# Altium PCB AiwacA33.PcbDoc (part 14 of 14)
Units mm, origin at the board's own origin, x right, y up, seen from the top; angles counter-clockwise.
Board outline 84.06 x 74 mm, 2 copper layers (Top Layer, Bottom Layer); 141 components, 152 nets, 23205 pads, 852 vias.
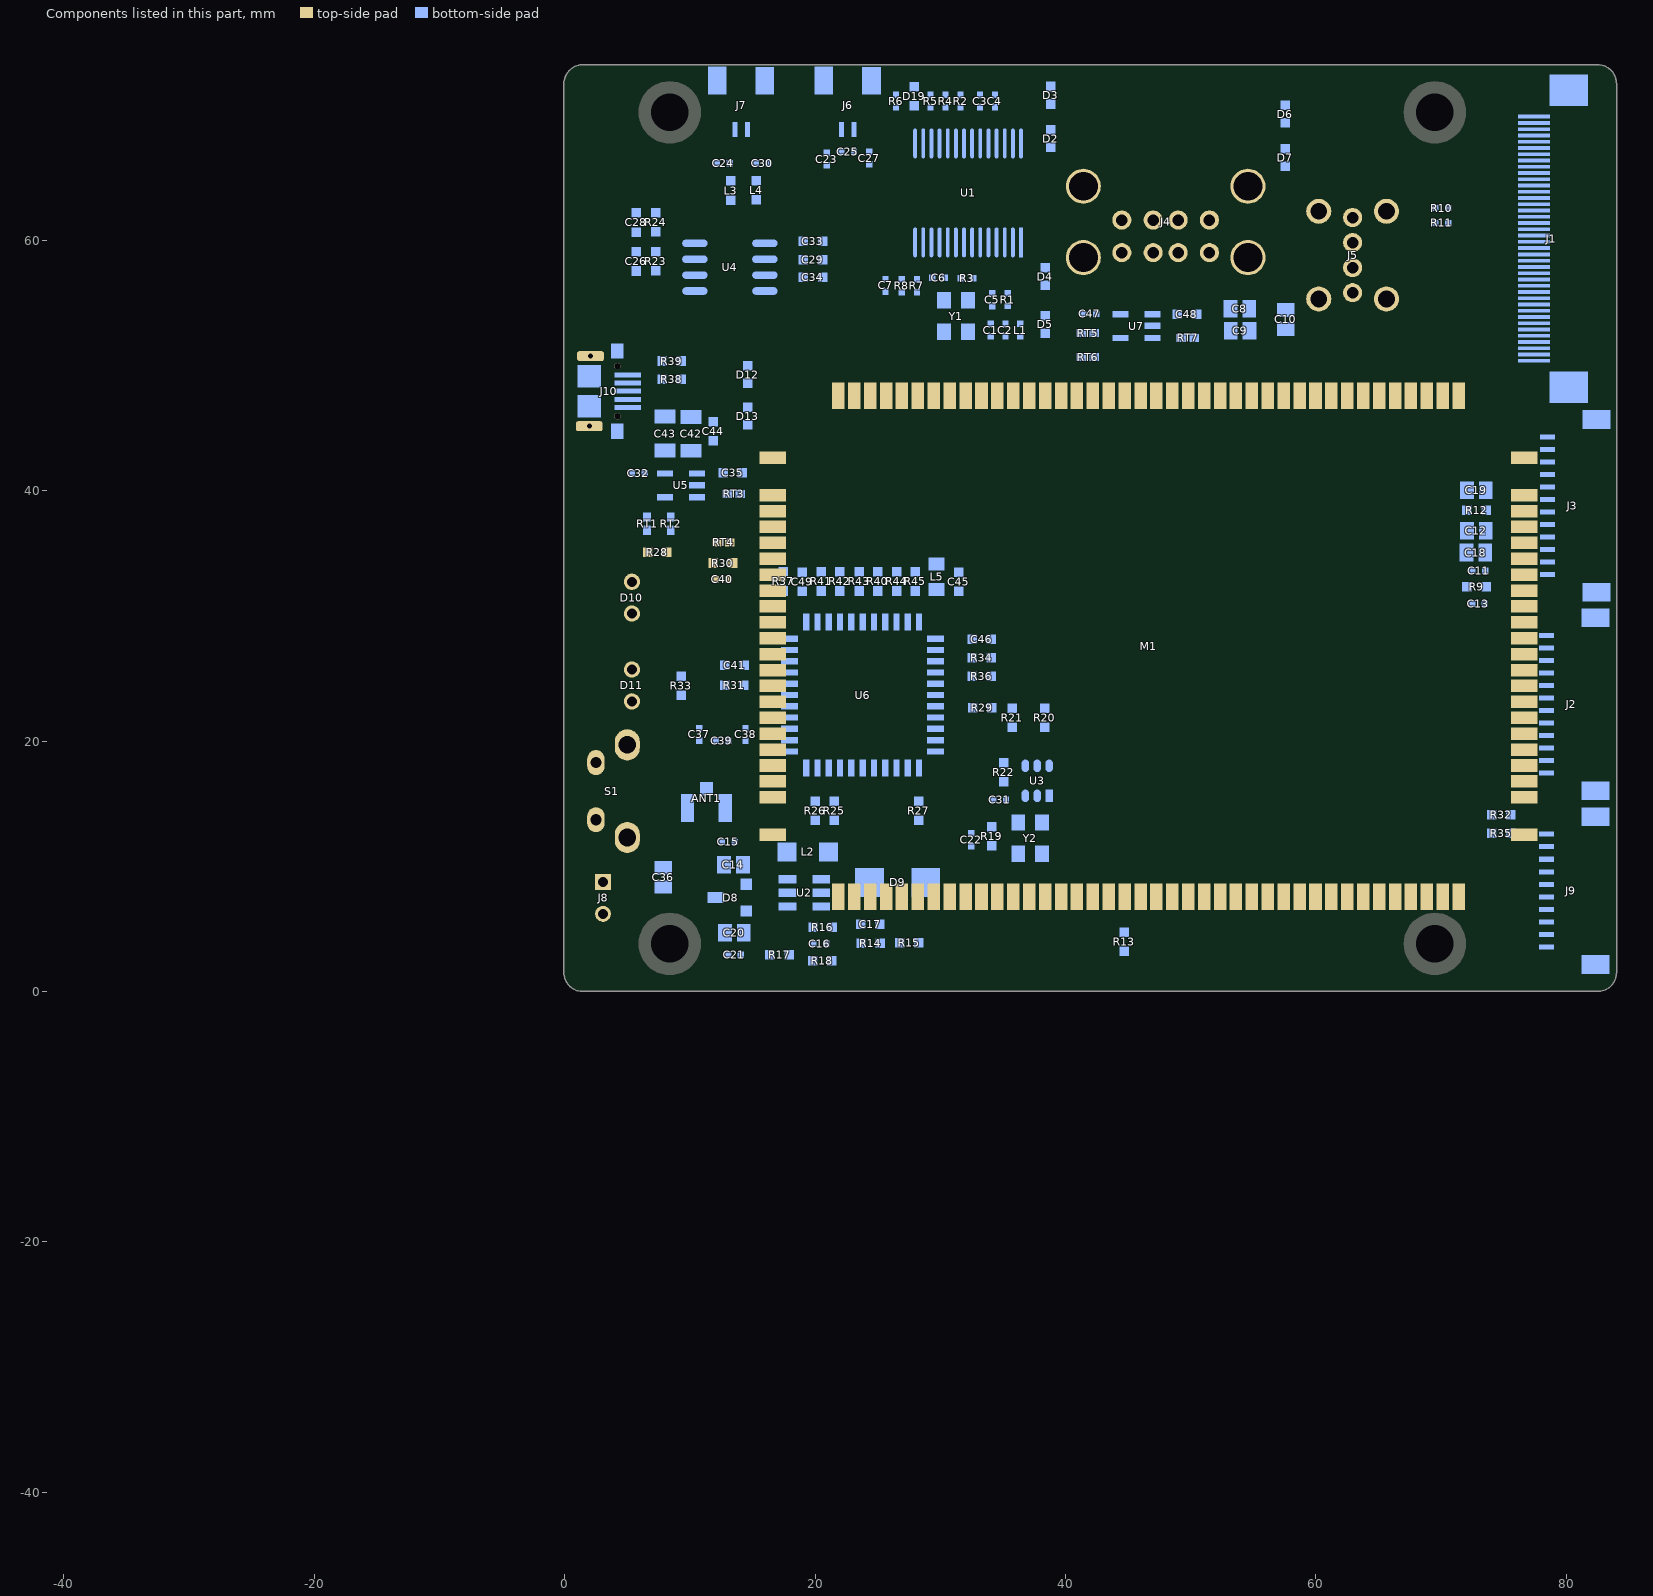
[diagram p14: the components of this part, seen from the top]

## Other copper
Top Layer:
  pour cut-out: 32.385,10.744 32.385,9.627 32.461,9.55 32.588,9.677 33.172,9.677 33.172,8.738 33.122,8.788 31.623,8.788 31.623,10.516 31.877,10.77 32.334,10.77
  pour cut-out: 11.873,8.793 13.533,7.133 13.533,5.601 12.834,6.3 12.103,6.3 12.103,7.958 10.688,9.373 10.867,9.551 11.873,9.551
  pour cut-out: 27.351,13.17 28.176,13.995 28.245,13.995 28.245,13.993 29.925,12.312 29.925,11.481 28.677,11.481 28.575,11.38 27.452,12.503 27.452,13.17
  pour cut-out: 20.493,9.444 21.439,8.497 26.173,8.497 26.589,8.913 25.95,9.551 20.6,9.551
  pour cut-out: 36.906,40.03 36.906,46.398 37.409,46.901 41.168,46.901 41.168,42.634 38.387,39.853 37.084,39.853
  pour cut-out: 31.217,40.03 31.242,40.005 34.036,40.005 34.036,42.316 33.934,42.418 31.775,40.259 31.09,40.259
  pour cut-out: 26.619,11.1 27.584,12.065 27.757,12.065 27.757,11.486 28.423,10.82 28.163,10.561 28.163,10.16 27.559,10.16
  pour cut-out: 23.693,18.736 23.961,18.736 25.197,17.501 24.65,16.954 23.693,16.954
  pour cut-out: 23.462,21.285 23.589,21.158 24.912,21.158 24.912,20.468 24.663,20.219
  pour cut-out: 21.692,22.556 22.835,22.556 22.779,22.5 22.779,21.717
  pour cut-out: 20.239,23.546 20.371,23.414 20.371,21.234 20.625,21.234 21.514,22.123
  pour cut-out: 22.047,15.342 22.098,15.392 24.028,15.392 24.028,15.749 24.13,15.85 21.54,15.85 21.539,15.85
  pour cut-out: 13.147,11.367 13.147,13.131 13.228,13.212 14.549,11.891 14.549,11.646 13.405,11.646 13.127,11.367
  pour cut-out: 33.172,43.624 34.353,43.624 34.417,43.688 34.239,43.866 34.239,46.584 32.178,46.584 31.923,46.329 32.309,45.942 32.309,44.488
  pour cut-out: 8.153,51.537 8.153,48.92 8.026,48.793 7.696,49.124 5.74,49.124 8.128,51.512
  pour cut-out: 35.072,24.257 35.072,22.111 35.174,22.009 35.136,21.971 33.198,21.971 33.198,22.327 35.052,24.181
  pour cut-out: 79.77,39.694 79.776,39.7 79.776,32.942 76.96,32.942 77.67,33.652 77.67,39.32 77.777,39.32 78.151,39.694
  pour cut-out: 8.047,12.649 8.001,12.604 8.001,10.871 9.373,10.871 9.423,10.922 7.976,12.37 7.976,12.7
Bottom Layer:
  pour cut-out: 15.159,39.165 15.159,38.204 15.389,37.973 16.535,37.973 16.535,38.379 17.827,39.671 17.925,39.573 20.066,39.573 20.523,40.03 20.523,40.538 18.669,40.538 17.922,39.791 17.922,39.635
  pour cut-out: 10.282,36.723 10.389,36.83 12.573,36.83 10.82,35.077 10.18,35.718 10.18,36.753
  pour cut-out: 76.627,9.703 76.674,9.656 76.674,8.332 75.556,9.449 75.784,9.677 76.627,9.677
  pour cut-out: 75.363,23.978 75.407,23.934 75.407,21.969 75.938,21.438 75.946,21.446 75.946,22.301 75.057,22.301 74.727,22.631 74.727,23.24 75.363,23.877
  pour cut-out: 6.045,48.26 6.654,48.26 7.29,48.896 7.329,48.857 8.098,48.857 8.389,48.565 8.351,48.527 8.351,47.826 7.506,46.98 7.506,46.533 7.138,46.533 6.858,46.253 6.172,46.94 6.011,46.94 6.011,48.15 6.147,48.285
  pour cut-out: 8.649,41.657 9.36,41.657 8.649,40.945
  pour cut-out: 80.48,40.437 80.48,39.117 80.62,39.117 81.229,38.507 81.523,38.801 81.523,39.508 81.409,39.508
  pour cut-out: 80.48,36.475 80.849,36.475 81.102,36.728 81.407,36.424 81.407,32.182 81.102,31.877 81.102,30.785 80.848,30.531 80.48,30.899
  pour cut-out: 57.785,23.851 58.522,23.114 58.268,22.86 58.268,10.439 58.038,10.439 57.696,10.782 57.785,10.871
  pour cut-out: 33.731,9.83 33.731,9.999 34.604,10.871 35.382,10.871 35.738,10.516 35.738,9.601 34.95,9.601 33.426,8.077 33.274,8.23 31.344,8.23 31.344,9.55 31.623,9.83
  pour cut-out: 20.891,3.557 20.27,3.557 20.168,3.454 20.168,6.629 21.133,6.629 21.285,6.477 21.285,3.951
  pour cut-out: 23.19,8.204 23.19,5.893 23.292,5.792 23.964,6.464 24.528,6.464 24.528,7.789 24.638,7.899 24.359,8.179 23.241,8.179
  pour cut-out: 25.578,28.804 25.628,28.753 26.238,28.753 26.238,28.042 25.858,28.423 25.578,28.423 25.578,28.778 25.603,28.804
  pour cut-out: 20.701,32.334 29.129,32.334 29.281,32.182 28.702,31.603 28.702,30.175 28.55,30.023 28.321,30.251 20.852,30.251 20.65,30.05 20.65,32.309

## Silkscreen, mask and mechanical layers (free items; w line width, h text height)
Top Overlay:
  region: 133.474,-55.804 79.074,-55.804 76.674,-58.204 76.674,-92.704 77.274,-92.704 133.474,-92.604
  region: 20.803,45.924 74.905,45.924 74.905,9.348 74.701,9.145 18.542,9.145 18.237,9.449 18.237,43.358 18.288,43.409
  text "AIWAC-A33 底板V1.0_20181121" at 34.315,1.727 h1.02
Bottom Overlay:
  lines w0.254: 24.435,10.947 25.014,10.947 ; 24.74,10.541 24.74,11.278 ; 27.076,69.177 27.47,69.177 27.483,69.164 27.483,70.053 27.457,70.053 ; 27.254,69.85 27.457,70.053 ; 27.554,70.028 27.554,69.995 27.711,69.837 ; 27.559,70.053 27.457,70.053 ; 27.869,69.343 28.529,69.343 ; 28.169,68.961 28.169,69.647 ; 29.718,3.302 30.632,3.302 ; 30.124,3.81 30.632,3.302 ; 30.175,2.896 30.556,3.277 30.632,3.277 30.632,3.302 ; 18.847,1.575 19.329,1.092 29.185,1.092 29.616,1.524 29.616,5.537 28.981,6.172 19.406,6.172 18.847,5.613 18.847,1.575 ; 21.768,9.144 22.149,8.763 22.149,9.525 21.768,9.144
  text "mic" at 20.95,61.214 h1.52
  text "HP" at 12.784,60.655 h1.52
Mechanical 2:
  drawing of 19725 lines, arcs and shapes, not listed
Mechanical 3:
  drawing of 7932 lines, arcs and shapes, not listed
Mechanical 4:
  lines w0: -39.046,-44.143 -39.046,-44.141 ; -39.046,-44.143 -39.045,-44.143 ; -39.046,-44.143 -39.045,-44.143 ; -39.046,-44.143 -39.046,-44.141 ; -39.046,-44.143 -39.045,-44.143 ; -39.046,-44.143 -39.046,-44.141 ; -39.046,-44.141 -39.045,-44.141 ; -39.046,-44.141 -39.045,-44.141 ; -39.046,-44.141 -39.045,-44.141 ; -39.045,-44.143 -39.045,-44.141 ; -39.045,-44.143 -39.045,-44.141 ; -39.045,-44.143 -39.045,-44.141 ; -39.043,-44.112 -39.042,-44.112 ; -39.043,-44.112 -39.043,-44.108 ; -39.043,-44.112 -39.043,-44.108 ; -39.043,-44.112 -39.042,-44.112 ; -39.043,-44.112 -39.043,-44.108 ; -39.043,-44.112 -39.042,-44.112 ; -39.043,-44.108 -39.042,-44.108 ; -39.043,-44.108 -39.042,-44.108 ; -39.043,-44.108 -39.042,-44.108 ; -39.044,-44.1 -39.044,-44.097 ; -39.044,-44.1 -39.042,-44.1 ; -39.044,-44.1 -39.042,-44.1 ; -39.044,-44.1 -39.044,-44.097 ; -39.044,-44.1 -39.042,-44.1 ; -39.044,-44.1 -39.044,-44.097 ; -39.044,-44.097 -39.042,-44.097 ; -39.044,-44.097 -39.042,-44.097 ; -39.044,-44.097 -39.042,-44.097 ; -39.042,-44.1 -39.042,-44.097 ; -39.042,-44.1 -39.042,-44.097 ; -39.042,-44.1 -39.042,-44.097 ; -39.042,-44.112 -39.042,-44.108 ; -39.042,-44.112 -39.042,-44.108 ; -39.042,-44.112 -39.042,-44.108 ; -39.041,-44.11 -39.041,-44.108 ; -39.041,-44.11 -39.038,-44.11 ; -39.041,-44.11 -39.038,-44.11 ; -39.041,-44.11 -39.041,-44.108 ; -39.041,-44.11 -39.038,-44.11 ; -39.041,-44.11 -39.041,-44.108 ; -39.041,-44.108 -39.038,-44.108 ; -39.041,-44.108 -39.038,-44.108 ; -39.041,-44.108 -39.038,-44.108 ; -39.038,-44.122 -39.036,-44.122 ; -39.038,-44.122 -39.038,-44.121 ; -39.038,-44.122 -39.038,-44.121 ; -39.038,-44.122 -39.036,-44.122 ; -39.038,-44.122 -39.038,-44.121 ; -39.038,-44.122 -39.036,-44.122 ; -39.038,-44.121 -39.036,-44.121 ; -39.038,-44.121 -39.036,-44.121 ; -39.038,-44.121 -39.036,-44.121 ; -39.038,-44.11 -39.038,-44.108 ; -39.038,-44.11 -39.038,-44.108 ; -39.038,-44.11 -39.038,-44.108 ; -39.036,-44.122 -39.036,-44.121 ; -39.036,-44.122 -39.036,-44.121 ; -39.036,-44.122 -39.036,-44.121 ; -39.036,-44.104 -39.036,-44.101 ; -39.036,-44.104 -39.034,-44.104 ; -39.036,-44.104 -39.034,-44.104 ; -39.036,-44.104 -39.036,-44.101 ; -39.036,-44.104 -39.034,-44.104 ; -39.036,-44.104 -39.036,-44.101 ; -39.036,-44.101 -39.034,-44.101 ; -39.036,-44.101 -39.034,-44.101 ; -39.036,-44.101 -39.034,-44.101 ; -39.034,-44.104 -39.034,-44.101 ; -39.034,-44.104 -39.034,-44.101 ; -39.034,-44.104 -39.034,-44.101 ; -38.995,-44.105 -38.995,-44.102 ; -38.995,-44.105 -38.994,-44.105 ; -38.995,-44.105 -38.994,-44.105 ; -38.995,-44.105 -38.995,-44.102 ; -38.995,-44.105 -38.994,-44.105 ; -38.995,-44.105 -38.995,-44.102 ; -38.995,-44.102 -38.994,-44.102 ; -38.995,-44.102 -38.994,-44.102 ; -38.995,-44.102 -38.994,-44.102 ; -38.994,-44.105 -38.994,-44.102 ; -38.994,-44.105 -38.994,-44.102 ; -38.994,-44.105 -38.994,-44.102 ; -38.993,-44.105 -38.993,-44.102 ; -38.993,-44.105 -38.992,-44.105 ; -38.993,-44.105 -38.992,-44.105 ; -38.993,-44.105 -38.993,-44.102 ; -38.993,-44.105 -38.992,-44.105 ; -38.993,-44.105 -38.993,-44.102 ; -38.993,-44.102 -38.992,-44.102 ; -38.993,-44.102 -38.992,-44.102 ; -38.993,-44.102 -38.992,-44.102 ; -38.992,-44.105 -38.992,-44.102 ; -38.992,-44.105 -38.992,-44.102 ; -38.992,-44.105 -38.992,-44.102 ; -38.979,-44.104 -38.979,-44.102 ; -38.979,-44.104 -38.976,-44.104 ; -38.979,-44.104 -38.976,-44.104 ; -38.979,-44.104 -38.979,-44.102 ; -38.979,-44.104 -38.976,-44.104 ; -38.979,-44.104 -38.979,-44.102 ; -38.979,-44.102 -38.976,-44.102 ; -38.979,-44.102 -38.976,-44.102 ; -38.979,-44.102 -38.976,-44.102 ; -38.978,-44.105 -38.976,-44.105 ; -38.978,-44.105 -38.978,-44.104 ; -38.978,-44.105 -38.978,-44.104 ; -38.978,-44.105 -38.976,-44.105 ; -38.978,-44.105 -38.978,-44.104 ; -38.978,-44.105 -38.976,-44.105 ; -38.978,-44.104 -38.976,-44.104 ; -38.978,-44.104 -38.976,-44.104 ; -38.978,-44.104 -38.976,-44.104 ; -38.976,-44.105 -38.976,-44.104 ; -38.976,-44.105 -38.976,-44.104 ; -38.976,-44.105 -38.976,-44.104 ; -38.976,-44.104 -38.976,-44.102 ; -38.976,-44.104 -38.976,-44.102 ; -38.976,-44.104 -38.976,-44.102
Mechanical 5:
  drawing of 420 lines, arcs and shapes, not listed
Mechanical 6:
  lines w0: -39.021,-44.127 -39.021,-44.114 ; -39.021,-44.127 -39.006,-44.127 ; -39.021,-44.127 -39.006,-44.127 ; -39.021,-44.127 -39.021,-44.114 ; -39.021,-44.127 -39.006,-44.127 ; -39.021,-44.127 -39.021,-44.114 ; -39.021,-44.114 -39.006,-44.114 ; -39.021,-44.114 -39.006,-44.114 ; -39.021,-44.114 -39.006,-44.114 ; -39.006,-44.127 -39.006,-44.114 ; -39.006,-44.127 -39.006,-44.114 ; -39.006,-44.127 -39.006,-44.114
Mechanical 8:
  drawing of 9558 lines, arcs and shapes, not listed
  text "U5" at -39.045,-44.099 h0 r90
  text "U5" at -39.045,-44.099 h0 r90
  text "U5" at -39.045,-44.099 h0 r90
  text "C37" at -39.044,-44.099 h0
  text "C37" at -39.044,-44.099 h0
  text "C37" at -39.044,-44.099 h0
  text "R70" at -39.044,-44.104 h0 r90
  text "R70" at -39.044,-44.104 h0 r90
  text "R70" at -39.044,-44.104 h0 r90
  text "R71" at -39.043,-44.104 h0 r90
  text "R71" at -39.043,-44.104 h0 r90
  text "R71" at -39.043,-44.104 h0 r90
  text "C101" at -39.042,-44.095 h0
  text "C101" at -39.042,-44.095 h0
  text "C101" at -39.042,-44.095 h0
  text "R67" at -39.039,-44.095 h0
  text "R67" at -39.039,-44.095 h0
  text "R67" at -39.039,-44.095 h0
  text "R66" at -39.036,-44.095 h0
  text "R66" at -39.036,-44.095 h0
  text "R66" at -39.036,-44.095 h0
  text "C100" at -39.034,-44.098 h0 r90
  text "C100" at -39.034,-44.098 h0 r90
  text "C100" at -39.034,-44.098 h0 r90
  text "R120" at -39.033,-44.1 h0 r90
  text "R120" at -39.033,-44.1 h0 r90
  text "R120" at -39.033,-44.1 h0 r90
  text "C32" at -39.033,-44.104 h0
  text "C32" at -39.033,-44.104 h0
  text "C32" at -39.033,-44.104 h0
  text "C110" at -39.031,-44.105 h0
  text "C110" at -39.031,-44.105 h0
  text "C110" at -39.031,-44.105 h0
  text "C40" at -39.031,-44.098 h0 r90
  text "C40" at -39.031,-44.098 h0 r90
  text "C40" at -39.031,-44.098 h0 r90
  text "C36" at -39.03,-44.098 h0 r90
  text "C36" at -39.03,-44.098 h0 r90
  text "C36" at -39.03,-44.098 h0 r90
  text "J6" at -39.028,-44.097 h0
  text "J6" at -39.028,-44.097 h0
  text "J6" at -39.028,-44.097 h0
  text "R110" at -39.028,-44.098 h0 r90
  text "R110" at -39.028,-44.098 h0 r90
  text "R110" at -39.028,-44.098 h0 r90
  text "C35" at -39.027,-44.099 h0 r90
  text "C35" at -39.027,-44.099 h0 r90
  text "C35" at -39.027,-44.099 h0 r90
  text "C38" at -39.025,-44.1 h0
  text "C38" at -39.025,-44.1 h0
  text "C38" at -39.025,-44.1 h0
  text "C39" at -39.024,-44.099 h0 r90
  text "C39" at -39.024,-44.099 h0 r90
  text "C39" at -39.024,-44.099 h0 r90
  text "R111" at -39.022,-44.099 h0 r90
  text "R111" at -39.022,-44.099 h0 r90
  text "R111" at -39.022,-44.099 h0 r90
  text "J7" at -39.022,-44.097 h0
  text "J7" at -39.022,-44.097 h0
  text "J7" at -39.022,-44.097 h0
  text "J1" at -39.006,-44.099 h0
  text "J1" at -39.006,-44.099 h0
  text "J1" at -39.006,-44.099 h0
  text "J2" at -39.001,-44.1 h0
  text "J2" at -39.001,-44.1 h0
  text "J2" at -39.001,-44.1 h0
  text "R50" at -38.999,-44.106 h0 r90
  text "R50" at -38.999,-44.106 h0 r90
  text "R50" at -38.999,-44.106 h0 r90
  text "R39" at -38.997,-44.105 h0 r90
  text "R39" at -38.997,-44.105 h0 r90
  text "R39" at -38.997,-44.105 h0 r90
  text "C28" at -38.994,-44.105 h0 r90
  text "C28" at -38.994,-44.105 h0 r90
  text "C28" at -38.994,-44.105 h0 r90
  text "C24" at -38.993,-44.105 h0 r90
  text "C24" at -38.993,-44.105 h0 r90
  text "C24" at -38.993,-44.105 h0 r90
  text "C25" at -38.991,-44.105 h0 r90
  text "C25" at -38.991,-44.105 h0 r90
  text "C25" at -38.991,-44.105 h0 r90
  text "J11" at -38.988,-44.097 h0
  text "J11" at -38.988,-44.097 h0
  text "J11" at -38.988,-44.097 h0
  text "R104" at -38.986,-44.106 h0 r90
  text "R104" at -38.986,-44.106 h0 r90
  text "R104" at -38.986,-44.106 h0 r90
  text "D11" at -38.985,-44.1 h0
  text "D11" at -38.985,-44.1 h0
  text "D11" at -38.985,-44.1 h0
  text "R102" at -38.985,-44.105 h0 r90
  text "R102" at -38.985,-44.105 h0 r90
  text "R102" at -38.985,-44.105 h0 r90
  text "R113" at -38.985,-44.102 h0
  text "R113" at -38.985,-44.102 h0
  text "R113" at -38.985,-44.102 h0
  text "D12" at -38.982,-44.1 h0
  text "D12" at -38.982,-44.1 h0
  text "D12" at -38.982,-44.1 h0
  text "R112" at -38.982,-44.102 h0
  text "R112" at -38.982,-44.102 h0
  text "R112" at -38.982,-44.102 h0
  text "R101" at -38.979,-44.099 h0 r90
  text "R101" at -38.979,-44.099 h0 r90
  text "R101" at -38.979,-44.099 h0 r90
  text "C105" at -38.977,-44.1 h0
  text "C105" at -38.977,-44.1 h0
  text "C105" at -38.977,-44.1 h0
  text "C104" at -38.974,-44.101 h0
  text "C104" at -38.974,-44.101 h0
  text "C104" at -38.974,-44.101 h0
  text "C102" at -38.974,-44.102 h0
  text "C102" at -38.974,-44.102 h0
  text "C102" at -38.974,-44.102 h0
  text "C103" at -38.974,-44.106 h0
  text "C103" at -38.974,-44.106 h0
  text "C103" at -38.974,-44.106 h0
  text "J10" at -39.047,-44.111 h0 r90
  text "J10" at -39.047,-44.111 h0 r90
  text "J10" at -39.047,-44.111 h0 r90
  text "C44" at -39.044,-44.107 h0 r90
  text "C44" at -39.044,-44.107 h0 r90
  text "C44" at -39.044,-44.107 h0 r90
  text "C17" at -39.043,-44.123 h0 r90
  text "C17" at -39.043,-44.123 h0 r90
  text "C17" at -39.043,-44.123 h0 r90
  text "R29" at -39.043,-44.128 h0 r90
  text "R29" at -39.043,-44.128 h0 r90
  text "R29" at -39.043,-44.128 h0 r90
  text "D7" at -39.042,-44.115 h0 r90
  text "D7" at -39.042,-44.115 h0 r90
  text "D7" at -39.042,-44.115 h0 r90
  text "D6" at -39.042,-44.12 h0 r90
  text "D6" at -39.042,-44.12 h0 r90
  text "D6" at -39.042,-44.12 h0 r90
  text "C42" at -39.042,-44.107 h0 r90
  text "C42" at -39.042,-44.107 h0 r90
  text "C42" at -39.042,-44.107 h0 r90
  text "C13" at -39.042,-44.128 h0 r90
  text "C13" at -39.042,-44.128 h0 r90
  text "C13" at -39.042,-44.128 h0 r90
  text "R40" at -39.041,-44.123 h0 r90
  text "R40" at -39.041,-44.123 h0 r90
  text "R40" at -39.041,-44.123 h0 r90
  text "L3" at -39.04,-44.107 h0
  text "L3" at -39.04,-44.107 h0
  text "L3" at -39.04,-44.107 h0
  text "R43" at -39.04,-44.123 h0 r90
  text "R43" at -39.04,-44.123 h0 r90
  text "R43" at -39.04,-44.123 h0 r90
  text "C29" at -39.039,-44.122 h0
  text "C29" at -39.039,-44.122 h0
  text "C29" at -39.039,-44.122 h0
  text "R47" at -39.039,-44.123 h0 r90
  text "R47" at -39.039,-44.123 h0 r90
  text "R47" at -39.039,-44.123 h0 r90
  text "U2" at -39.037,-44.128 h0 r270
  text "U2" at -39.037,-44.128 h0 r270
  text "U2" at -39.037,-44.128 h0 r270
  text "C14" at -39.037,-44.123 h0 r90
  text "C14" at -39.037,-44.123 h0 r90
  text "C14" at -39.037,-44.123 h0 r90
  text "L4" at -39.037,-44.107 h0
  text "L4" at -39.037,-44.107 h0
  text "L4" at -39.037,-44.107 h0
  text "RT1" at -39.037,-44.115 h0 r90
  text "RT1" at -39.037,-44.115 h0 r90
  text "RT1" at -39.037,-44.115 h0 r90
  text "C18" at -39.036,-44.123 h0 r90
  text "C18" at -39.036,-44.123 h0 r90
  text "C18" at -39.036,-44.123 h0 r90
  text "C43" at -39.036,-44.109 h0
  text "C43" at -39.036,-44.109 h0
  text "C43" at -39.036,-44.109 h0
  text "R41" at -39.035,-44.123 h0 r90
  text "R41" at -39.035,-44.123 h0 r90
  text "R41" at -39.035,-44.123 h0 r90
  text "C50" at -39.035,-44.114 h0 r90
  text "C50" at -39.035,-44.114 h0 r90
  text "C50" at -39.035,-44.114 h0 r90
  text "R76" at -39.034,-44.114 h0 r90
  text "R92" at -39.034,-44.113 h0
  text "R92" at -39.034,-44.113 h0
  text "R76" at -39.034,-44.114 h0 r90
  text "R92" at -39.034,-44.113 h0
  text "R76" at -39.034,-44.114 h0 r90
  text "C23" at -39.034,-44.114 h0
  text "C23" at -39.034,-44.114 h0
  text "C23" at -39.034,-44.114 h0
  text "D5" at -39.032,-44.124 h0
  text "D5" at -39.032,-44.124 h0
  text "D5" at -39.032,-44.124 h0
  text "R83" at -39.032,-44.114 h0 r90
  text "R83" at -39.032,-44.114 h0 r90
  text "R83" at -39.032,-44.114 h0 r90
  text "C33" at -39.031,-44.107 h0
  text "C33" at -39.031,-44.107 h0
  text "C33" at -39.031,-44.107 h0
  text "R31" at -39.03,-44.126 h0 r90
  text "R44" at -39.03,-44.131 h0 r90
  text "R44" at -39.03,-44.131 h0 r90
  text "R31" at -39.03,-44.126 h0 r90
  text "R44" at -39.03,-44.131 h0 r90
  text "R31" at -39.03,-44.126 h0 r90
  text "R32" at -39.03,-44.129 h0 r90
  text "R32" at -39.03,-44.129 h0 r90
  text "R32" at -39.03,-44.129 h0 r90
  text "R48" at -39.03,-44.131 h0 r90
  text "R48" at -39.03,-44.131 h0 r90
  text "R48" at -39.03,-44.131 h0 r90
  text "R37" at -39.03,-44.126 h0 r90
  text "R37" at -39.03,-44.126 h0 r90
  text "R37" at -39.03,-44.126 h0 r90
  text "R38" at -39.029,-44.129 h0 r90
  text "R38" at -39.029,-44.129 h0 r90
  text "R38" at -39.029,-44.129 h0 r90
  text "D4" at -39.029,-44.124 h0
  text "D4" at -39.029,-44.124 h0
  text "D4" at -39.029,-44.124 h0
  text "D21" at -39.028,-44.11 h0
  text "D21" at -39.028,-44.11 h0
  text "D21" at -39.028,-44.11 h0
  text "R7" at -39.027,-44.125 h0
  text "R13" at -39.027,-44.124 h0
  text "R14" at -39.027,-44.125 h0
  text "R14" at -39.027,-44.125 h0
  text "R13" at -39.027,-44.124 h0
  text "R7" at -39.027,-44.125 h0
  text "R14" at -39.027,-44.125 h0
  text "R13" at -39.027,-44.124 h0
  text "R7" at -39.027,-44.125 h0
  text "R8" at -39.027,-44.126 h0
  text "R16" at -39.027,-44.127 h0
  text "R16" at -39.027,-44.127 h0
  text "R8" at -39.027,-44.126 h0
  text "R16" at -39.027,-44.127 h0
  text "R8" at -39.027,-44.126 h0
  text "D22" at -39.025,-44.11 h0
  text "D22" at -39.025,-44.11 h0
  text "D22" at -39.025,-44.11 h0
  text "D2" at -39.023,-44.124 h0
  text "D2" at -39.023,-44.124 h0
  text "D2" at -39.023,-44.124 h0
  text "R19" at -39.023,-44.127 h0
  text "R24" at -39.023,-44.126 h0
  text "R24" at -39.023,-44.126 h0
  text "R19" at -39.023,-44.127 h0
  text "R24" at -39.023,-44.126 h0
  text "R19" at -39.023,-44.127 h0
  text "R20" at -39.023,-44.128 h0
  text "R22" at -39.023,-44.127 h0
  text "R22" at -39.023,-44.127 h0
  text "R20" at -39.023,-44.128 h0
  text "R22" at -39.023,-44.127 h0
  text "R20" at -39.023,-44.128 h0
  text "R23" at -39.02,-44.128 h0
  text "R23" at -39.02,-44.128 h0
  text "R23" at -39.02,-44.128 h0
  text "R18" at -39.017,-44.129 h0
  text "R21" at -39.017,-44.129 h0
  text "R21" at -39.017,-44.129 h0
  text "R18" at -39.017,-44.129 h0
  text "R21" at -39.017,-44.129 h0
  text "R18" at -39.017,-44.129 h0
  text "R17" at -39.017,-44.13 h0
  text "R17" at -39.017,-44.13 h0
  text "R17" at -39.017,-44.13 h0
  text "R3" at -39.016,-44.131 h0
  text "R3" at -39.016,-44.131 h0
  text "R3" at -39.016,-44.131 h0
  text "R9" at -39.016,-44.13 h0
  text "R9" at -39.016,-44.13 h0
  text "R9" at -39.016,-44.13 h0
  text "D1" at -39.012,-44.11 h0 r90
  text "D1" at -39.012,-44.11 h0 r90
  text "D1" at -39.012,-44.11 h0 r90
  text "R10" at -39.011,-44.132 h0
  text "R10" at -39.011,-44.132 h0
  text "R10" at -39.011,-44.132 h0
  text "R55" at -39.005,-44.116 h0 r90
  text "R55" at -39.005,-44.116 h0 r90
  text "R55" at -39.005,-44.116 h0 r90
  text "R54" at -39.005,-44.113 h0 r90
  text "R56" at -39.005,-44.12 h0 r90
  text "R56" at -39.005,-44.12 h0 r90
  text "R54" at -39.005,-44.113 h0 r90
  text "R56" at -39.005,-44.12 h0 r90
  text "R54" at -39.005,-44.113 h0 r90
  text "R53" at -39.004,-44.122 h0 r90
  text "R53" at -39.004,-44.122 h0 r90
  text "R53" at -39.004,-44.122 h0 r90
  text "L2" at -39.002,-44.131 h0
  text "L2" at -39.002,-44.131 h0
  text "L2" at -39.002,-44.131 h0
  text "C31" at -39.001,-44.111 h0 r90
  text "C31" at -39.001,-44.111 h0 r90
  text "C31" at -39.001,-44.111 h0 r90
  text "C55" at -39,-44.128 h0 r90
  text "C55" at -39,-44.128 h0 r90
  text "C55" at -39,-44.128 h0 r90
  text "C30" at -39,-44.111 h0 r90
  text "C30" at -39,-44.111 h0 r90
  text "C30" at -39,-44.111 h0 r90
  text "C56" at -38.999,-44.128 h0 r90
  text "C56" at -38.999,-44.128 h0 r90
  text "C56" at -38.999,-44.128 h0 r90
  text "U3" at -38.999,-44.126 h0 r90
  text "U3" at -38.999,-44.126 h0 r90
  text "U3" at -38.999,-44.126 h0 r90
  text "R79" at -38.999,-44.128 h0 r90
  text "R79" at -38.999,-44.128 h0 r90
  text "R79" at -38.999,-44.128 h0 r90
  text "R52" at -38.999,-44.111 h0 r90
  text "R52" at -38.999,-44.111 h0 r90
  text "R52" at -38.999,-44.111 h0 r90
  text "R80" at -38.998,-44.128 h0 r90
  text "R80" at -38.998,-44.128 h0 r90
  text "R80" at -38.998,-44.128 h0 r90
  text "D3" at -38.997,-44.111 h0 r90
  text "D3" at -38.997,-44.111 h0 r90
  text "D3" at -38.997,-44.111 h0 r90
  text "C22" at -38.996,-44.111 h0 r90
  text "C22" at -38.996,-44.111 h0 r90
  text "C22" at -38.996,-44.111 h0 r90
  text "R58" at -38.994,-44.111 h0 r90
  text "R58" at -38.994,-44.111 h0 r90
  text "R58" at -38.994,-44.111 h0 r90
  text "R59" at -38.993,-44.111 h0 r90
  text "R59" at -38.993,-44.111 h0 r90
  text "R59" at -38.993,-44.111 h0 r90
  text "C27" at -38.992,-44.111 h0 r90
  text "C27" at -38.992,-44.111 h0 r90
  text "C27" at -38.992,-44.111 h0 r90
  text "C21" at -38.99,-44.111 h0 r90
  text "C21" at -38.99,-44.111 h0 r90
  text "C21" at -38.99,-44.111 h0 r90
  text "C26" at -38.986,-44.115 h0 r90
  text "R60" at -38.986,-44.119 h0 r90
  text "R60" at -38.986,-44.119 h0 r90
  text "C26" at -38.986,-44.115 h0 r90
  text "R60" at -38.986,-44.119 h0 r90
  text "C26" at -38.986,-44.115 h0 r90
  text "R57" at -38.986,-44.117 h0 r90
  text "R57" at -38.986,-44.117 h0 r90
  text "R57" at -38.986,-44.117 h0 r90
  text "R103" at -38.985,-44.108 h0 r90
  text "R103" at -38.985,-44.108 h0 r90
  text "R103" at -38.985,-44.108 h0 r90
  text "R61" at -38.985,-44.115 h0 r90
  text "R61" at -38.985,-44.115 h0 r90
  text "R61" at -38.985,-44.115 h0 r90
  text "R75" at -38.985,-44.128 h0 r90
  text "R75" at -38.985,-44.128 h0 r90
  text "R75" at -38.985,-44.128 h0 r90
  text "R63" at -38.984,-44.128 h0 r90
  text "R63" at -38.984,-44.128 h0 r90
  text "R63" at -38.984,-44.128 h0 r90
  text "R51" at -38.984,-44.115 h0
  text "R51" at -38.984,-44.115 h0
  text "R51" at -38.984,-44.115 h0
  text "C34" at -38.984,-44.116 h0 r90
  text "C34" at -38.984,-44.116 h0 r90
  text "C34" at -38.984,-44.116 h0 r90
  text "R62" at -38.984,-44.119 h0 r90
  text "R62" at -38.984,-44.119 h0 r90
  text "R62" at -38.984,-44.119 h0 r90
  text "R64" at -38.984,-44.128 h0 r90
  text "R64" at -38.984,-44.128 h0 r90
  text "R64" at -38.984,-44.128 h0 r90
  text "Y1" at -38.983,-44.116 h0
  text "Y1" at -38.983,-44.116 h0
  text "Y1" at -38.983,-44.116 h0
  text "U4" at -38.983,-44.119 h0 r90
  text "U4" at -38.983,-44.119 h0 r90
  text "U4" at -38.983,-44.119 h0 r90
  text "R30" at -38.983,-44.115 h0
  text "R30" at -38.983,-44.115 h0
  text "R30" at -38.983,-44.115 h0
  text "C45" at -38.982,-44.116 h0 r90
  text "C45" at -38.982,-44.116 h0 r90
  text "C45" at -38.982,-44.116 h0 r90
  text "R65" at -38.982,-44.119 h0 r90
  text "R65" at -38.982,-44.119 h0 r90
  text "R65" at -38.982,-44.119 h0 r90
  text "U10" at -38.98,-44.111 h0 r270
  text "U10" at -38.98,-44.111 h0 r270
  text "U10" at -38.98,-44.111 h0 r270
  text "L1" at -38.974,-44.109 h0 r90
  text "L1" at -38.974,-44.109 h0 r90
  text "L1" at -38.974,-44.109 h0 r90
  text "J8" at -39.048,-44.138 h0 r90
  text "J8" at -39.048,-44.138 h0 r90
  text "J8" at -39.048,-44.138 h0 r90
  text "S1" at -39.047,-44.134 h0 r90
  text "S1" at -39.047,-44.134 h0 r90
  text "S1" at -39.047,-44.134 h0 r90
  text "C41" at -39.047,-44.14 h0 r90
  text "C41" at -39.047,-44.14 h0 r90
  text "C41" at -39.047,-44.14 h0 r90
  text "R35" at -39.044,-44.135 h0 r90
  text "R35" at -39.044,-44.135 h0 r90
  text "R35" at -39.044,-44.135 h0 r90
  text "R49" at -39.043,-44.135 h0 r90
  text "R49" at -39.043,-44.135 h0 r90
  text "R49" at -39.043,-44.135 h0 r90
  text "C20" at -39.043,-44.132 h0 r90
  text "C20" at -39.043,-44.132 h0 r90
  text "C20" at -39.043,-44.132 h0 r90
  text "C11" at -39.042,-44.142 h0 r90
  text "C11" at -39.042,-44.142 h0 r90
  text "C11" at -39.042,-44.142 h0 r90
  text "R46" at -39.042,-44.134 h0
  text "R46" at -39.042,-44.134 h0
  text "R46" at -39.042,-44.134 h0
  text "C19" at -39.042,-44.132 h0 r90
  text "C19" at -39.042,-44.132 h0 r90
  text "C19" at -39.042,-44.132 h0 r90
  text "R25" at -39.041,-44.142 h0 r90
  text "R25" at -39.041,-44.142 h0 r90
  text "R25" at -39.041,-44.142 h0 r90
  text "R36" at -39.04,-44.142 h0 r90
  text "R36" at -39.04,-44.142 h0 r90
  text "R36" at -39.04,-44.142 h0 r90
  text "C16" at -39.038,-44.141 h0 r90
  text "C16" at -39.038,-44.141 h0 r90
  text "C16" at -39.038,-44.141 h0 r90
  text "C15" at -39.038,-44.137 h0 r90
  text "C15" at -39.038,-44.137 h0 r90
  text "C15" at -39.038,-44.137 h0 r90
  text "C12" at -39.037,-44.141 h0 r90
  text "C12" at -39.037,-44.141 h0 r90
  text "C12" at -39.037,-44.141 h0 r90
  text "R26" at -39.036,-44.141 h0 r90
  text "R26" at -39.036,-44.141 h0 r90
  text "R26" at -39.036,-44.141 h0 r90
  text "R28" at -39.034,-44.141 h0 r90
  text "R28" at -39.034,-44.141 h0 r90
  text "R28" at -39.034,-44.141 h0 r90
  text "R34" at -39.033,-44.141 h0 r90
  text "R34" at -39.033,-44.141 h0 r90
  text "R34" at -39.033,-44.141 h0 r90
  text "R42" at -39.032,-44.143 h0 r90
  text "R42" at -39.032,-44.143 h0 r90
  text "R42" at -39.032,-44.143 h0 r90
  text "R45" at -39.031,-44.143 h0 r90
  text "R45" at -39.031,-44.143 h0 r90
  text "R45" at -39.031,-44.143 h0 r90
  text "R27" at -39.031,-44.141 h0 r90
  text "R27" at -39.031,-44.141 h0 r90
  text "R27" at -39.031,-44.141 h0 r90
  text "R33" at -39.031,-44.143 h0 r90
  text "R33" at -39.031,-44.143 h0 r90
  text "R33" at -39.031,-44.143 h0 r90
  text "J4" at -39.029,-44.146 h0
  text "J4" at -39.029,-44.146 h0
  text "J4" at -39.029,-44.146 h0
  text "R6" at -39.029,-44.137 h0
  text "R6" at -39.029,-44.137 h0
  text "R6" at -39.029,-44.137 h0
  text "C7" at -39.029,-44.14 h0
  text "R15" at -39.029,-44.139 h0
  text "R15" at -39.029,-44.139 h0
  text "C7" at -39.029,-44.14 h0
  text "R15" at -39.029,-44.139 h0
  text "C7" at -39.029,-44.14 h0
  text "C8" at -39.028,-44.135 h0
  text "C8" at -39.028,-44.135 h0
  text "C8" at -39.028,-44.135 h0
  text "C4" at -39.028,-44.136 h0
  text "C4" at -39.028,-44.136 h0
  text "C4" at -39.028,-44.136 h0
  text "U1" at -39.025,-44.137 h0
  text "U1" at -39.025,-44.137 h0
  text "U1" at -39.025,-44.137 h0
  text "C3" at -39.024,-44.142 h0
  text "R5" at -39.024,-44.143 h0
  text "R5" at -39.024,-44.143 h0
  text "C3" at -39.024,-44.142 h0
  text "R5" at -39.024,-44.143 h0
  text "C3" at -39.024,-44.142 h0
  text "C5" at -39.02,-44.142 h0
  text "C5" at -39.02,-44.142 h0
  text "C5" at -39.02,-44.142 h0
  text "R11" at -39.02,-44.143 h0
  text "R11" at -39.02,-44.143 h0
  text "R11" at -39.02,-44.143 h0
  text "C1" at -39.018,-44.142 h0
  text "R1" at -39.018,-44.143 h0
  text "R1" at -39.018,-44.143 h0
  text "C1" at -39.018,-44.142 h0
  text "R1" at -39.018,-44.143 h0
  text "C1" at -39.018,-44.142 h0
  text "R69" at -39.017,-44.143 h0 r90
  text "R69" at -39.017,-44.143 h0 r90
  text "R69" at -39.017,-44.143 h0 r90
  text "J3" at -39.017,-44.146 h0
  text "J3" at -39.017,-44.146 h0
  text "J3" at -39.017,-44.146 h0
  text "R68" at -39.014,-44.143 h0 r90
  text "R68" at -39.014,-44.143 h0 r90
  text "R68" at -39.014,-44.143 h0 r90
  text "C9" at -39.012,-44.136 h0
  text "C9" at -39.012,-44.136 h0
  text "C9" at -39.012,-44.136 h0
  text "C2" at -39.012,-44.139 h0
  text "C2" at -39.012,-44.139 h0
  text "C2" at -39.012,-44.139 h0
  text "C6" at -39.012,-44.14 h0
  text "C6" at -39.012,-44.14 h0
  text "C6" at -39.012,-44.14 h0
  text "R2" at -39.012,-44.138 h0
  text "R2" at -39.012,-44.138 h0
  text "R2" at -39.012,-44.138 h0
  text "R12" at -39.011,-44.141 h0
  text "R12" at -39.011,-44.141 h0
  text "R12" at -39.011,-44.141 h0
  text "R4" at -39.011,-44.134 h0
  text "R4" at -39.011,-44.134 h0
  text "R4" at -39.011,-44.134 h0
  text "C10" at -39.011,-44.135 h0
  text "C10" at -39.011,-44.135 h0
  text "C10" at -39.011,-44.135 h0
  text "J9" at -39.002,-44.146 h0
  text "J9" at -39.002,-44.146 h0
  text "J9" at -39.002,-44.146 h0
  text "R82" at -39.001,-44.143 h0
  text "R84" at -39.001,-44.136 h0
  text "R87" at -39.001,-44.141 h0
  text "R88" at -39.001,-44.139 h0
  text "R89" at -39.001,-44.137 h0
  text "R90" at -39.001,-44.135 h0
  text "R91" at -39.001,-44.133 h0
  text "R91" at -39.001,-44.133 h0
  text "R90" at -39.001,-44.135 h0
  text "R89" at -39.001,-44.137 h0
  text "R88" at -39.001,-44.139 h0
  text "R87" at -39.001,-44.141 h0
  text "R84" at -39.001,-44.136 h0
  text "R82" at -39.001,-44.143 h0
  text "R91" at -39.001,-44.133 h0
  text "R90" at -39.001,-44.135 h0
  text "R89" at -39.001,-44.137 h0
  text "R88" at -39.001,-44.139 h0
  text "R87" at -39.001,-44.141 h0
  text "R84" at -39.001,-44.136 h0
  text "R82" at -39.001,-44.143 h0
  text "C57" at -38.995,-44.147 h0 r90
  text "C57" at -38.995,-44.147 h0 r90
  text "C57" at -38.995,-44.147 h0 r90
  text "C51" at -38.994,-44.147 h0 r90
  text "C51" at -38.994,-44.147 h0 r90
  text "C51" at -38.994,-44.147 h0 r90
  text "R77" at -38.991,-44.147 h0 r90
  text "R77" at -38.991,-44.147 h0 r90
  text "R77" at -38.991,-44.147 h0 r90
  text "C47" at -38.988,-44.148 h0 r90
  text "C47" at -38.988,-44.148 h0 r90
  text "C47" at -38.988,-44.148 h0 r90
  text "C48" at -38.987,-44.147 h0
  text "C48" at -38.987,-44.147 h0
  text "C48" at -38.987,-44.147 h0
  text "C49" at -38.987,-44.148 h0 r90
  text "C49" at -38.987,-44.148 h0 r90
  text "C49" at -38.987,-44.148 h0 r90
  text "U7" at -38.982,-44.136 h0
  text "U7" at -38.982,-44.136 h0
  text "U7" at -38.982,-44.136 h0
  text "R74" at -38.981,-44.132 h0 r90
  text "R74" at -38.981,-44.132 h0 r90
  text "R74" at -38.981,-44.132 h0 r90
  text "R72" at -38.979,-44.138 h0
  text "R73" at -38.979,-44.141 h0
  text "R73" at -38.979,-44.141 h0
  text "R72" at -38.979,-44.138 h0
  text "R73" at -38.979,-44.141 h0
  text "R72" at -38.979,-44.138 h0
  text "ANT1" at -38.978,-44.144 h0
  text "ANT1" at -38.978,-44.144 h0
  text "ANT1" at -38.978,-44.144 h0
Mechanical 9:
  lines w0: -39.05,-44.15 ccw(c-39.049,-44.15) -39.049,-44.151 ; -39.05,-44.15 ccw(c-39.049,-44.15) -39.049,-44.151 ; -39.05,-44.15 ccw(c-39.049,-44.15) -39.049,-44.151 ; -39.049,-44.151 -38.974,-44.151 ; -39.05,-44.15 -39.05,-44.096 ; -39.05,-44.15 -39.05,-44.096 ; -39.049,-44.151 -38.974,-44.151 ; -39.05,-44.15 -39.05,-44.096 ; -39.049,-44.151 -38.974,-44.151 ; -39.05,-44.097 -39.05,-44.095 ; -39.05,-44.097 -39.05,-44.095 ; -39.05,-44.097 -39.05,-44.095 ; -39.05,-44.095 -39.05,-44.094 ; -39.05,-44.095 -39.05,-44.094 ; -39.05,-44.095 -39.05,-44.094 ; -39.05,-44.094 cw(c-39.05,-44.094) -39.05,-44.093 ; -39.05,-44.094 cw(c-39.05,-44.094) -39.05,-44.093 ; -39.05,-44.094 cw(c-39.05,-44.094) -39.05,-44.093 ; -39.05,-44.093 -38.975,-44.093 ; -39.05,-44.093 -38.975,-44.093 ; -39.05,-44.093 -38.975,-44.093 ; -39.021,-44.127 -39.021,-44.114 ; -39.021,-44.127 -39.006,-44.127 ; -39.021,-44.127 -39.006,-44.127 ; -39.021,-44.127 -39.021,-44.114 ; -39.021,-44.127 -39.006,-44.127 ; -39.021,-44.127 -39.021,-44.114 ; -39.021,-44.114 -39.006,-44.114 ; -39.021,-44.114 -39.006,-44.114 ; -39.021,-44.114 -39.006,-44.114 ; -39.006,-44.127 -39.006,-44.114 ; -39.006,-44.127 -39.006,-44.114 ; -39.006,-44.127 -39.006,-44.114 ; -38.975,-44.151 ccw(c-38.975,-44.15) -38.973,-44.15 ; -38.975,-44.151 ccw(c-38.975,-44.15) -38.973,-44.15 ; -38.975,-44.151 ccw(c-38.975,-44.15) -38.973,-44.15 ; -38.975,-44.093 ccw(c-38.975,-44.093) -38.975,-44.093 ; -38.975,-44.093 ccw(c-38.975,-44.093) -38.975,-44.093 ; -38.975,-44.093 cw(c-38.975,-44.094) -38.973,-44.094 ; -38.975,-44.093 ccw(c-38.975,-44.093) -38.975,-44.093 ; -38.975,-44.093 ccw(c-38.975,-44.093) -38.975,-44.093 ; -38.975,-44.093 ccw(c-38.975,-44.093) -38.975,-44.093 ; -38.975,-44.093 ccw(c-38.975,-44.093) -38.975,-44.093 ; -38.975,-44.093 cw(c-38.975,-44.094) -38.973,-44.094 ; -38.975,-44.093 ccw(c-38.975,-44.093) -38.975,-44.093 ; -38.975,-44.093 ccw(c-38.975,-44.093) -38.975,-44.093 ; -38.975,-44.093 ccw(c-38.975,-44.093) -38.975,-44.093 ; -38.975,-44.093 ccw(c-38.975,-44.093) -38.975,-44.093 ; -38.975,-44.093 cw(c-38.975,-44.094) -38.973,-44.094 ; -38.975,-44.093 ccw(c-38.975,-44.093) -38.975,-44.093 ; -38.975,-44.093 ccw(c-38.975,-44.093) -38.975,-44.093 ; -38.973,-44.15 -38.973,-44.097 ; -38.973,-44.15 -38.973,-44.097 ; -38.973,-44.15 -38.973,-44.097 ; -38.973,-44.097 -38.973,-44.095 ; -38.973,-44.097 -38.973,-44.095 ; -38.973,-44.097 -38.973,-44.095 ; -38.973,-44.095 -38.973,-44.094 ; -38.973,-44.095 -38.973,-44.094 ; -38.973,-44.095 -38.973,-44.094
Mechanical 10:
  drawing of 201 lines, arcs and shapes, not listed
Mechanical 11:
  drawing of 498 lines, arcs and shapes, not listed
  text "M1" at -39.043,-44.145 h0
  text "M1" at -39.043,-44.145 h0
  text "M1" at -39.043,-44.145 h0
Mechanical 12:
  drawing of 372 lines, arcs and shapes, not listed
Mechanical 13:
  drawing of 1761 lines, arcs and shapes, not listed
Mechanical 14:
  drawing of 459 lines, arcs and shapes, not listed
Mechanical 15:
  drawing of 1848 lines, arcs and shapes, not listed
Mechanical 16:
  lines w0: -39.049,-44.11 ccw(c-39.049,-44.11) -39.048,-44.11 ; -39.049,-44.11 ccw(c-39.049,-44.11) -39.048,-44.11 ; -39.049,-44.11 ccw(c-39.049,-44.11) -39.048,-44.11 ; -39.048,-44.11 -39.048,-44.109 ; -39.049,-44.11 -39.049,-44.109 ; -39.049,-44.11 -39.049,-44.109 ; -39.048,-44.11 -39.048,-44.109 ; -39.049,-44.11 -39.049,-44.109 ; -39.048,-44.11 -39.048,-44.109 ; -39.048,-44.109 ccw(c-39.049,-44.109) -39.049,-44.109 ; -39.048,-44.109 ccw(c-39.049,-44.109) -39.049,-44.109 ; -39.048,-44.109 ccw(c-39.049,-44.109) -39.049,-44.109 ; -39.049,-44.105 ccw(c-39.049,-44.105) -39.048,-44.105 ; -39.049,-44.105 ccw(c-39.049,-44.105) -39.048,-44.105 ; -39.049,-44.105 ccw(c-39.049,-44.105) -39.048,-44.105 ; -39.048,-44.105 -39.048,-44.103 ; -39.049,-44.105 -39.049,-44.103 ; -39.049,-44.105 -39.049,-44.103 ; -39.048,-44.105 -39.048,-44.103 ; -39.049,-44.105 -39.049,-44.103 ; -39.048,-44.105 -39.048,-44.103 ; -39.048,-44.103 ccw(c-39.049,-44.103) -39.049,-44.103 ; -39.048,-44.103 ccw(c-39.049,-44.103) -39.049,-44.103 ; -39.048,-44.103 ccw(c-39.049,-44.103) -39.049,-44.103 ; -38.987,-44.094 ccw(c-38.987,-44.094) -38.987,-44.094 ; -38.987,-44.095 ccw(c-38.987,-44.095) -38.987,-44.095 ; -38.987,-44.095 ccw(c-38.987,-44.095) -38.987,-44.095 ; -38.987,-44.094 ccw(c-38.987,-44.094) -38.987,-44.094 ; -38.987,-44.095 ccw(c-38.987,-44.095) -38.987,-44.095 ; -38.987,-44.094 ccw(c-38.987,-44.094) -38.987,-44.094 ; -38.987,-44.095 -38.987,-44.094 ; -38.987,-44.095 -38.987,-44.094 ; -38.987,-44.095 -38.987,-44.094 ; -38.987,-44.095 -38.987,-44.094 ; -38.987,-44.095 -38.987,-44.094 ; -38.987,-44.095 -38.987,-44.094 ; -38.981,-44.094 ccw(c-38.981,-44.094) -38.981,-44.094 ; -38.981,-44.096 ccw(c-38.981,-44.096) -38.981,-44.096 ; -38.981,-44.096 ccw(c-38.981,-44.096) -38.981,-44.096 ; -38.981,-44.094 ccw(c-38.981,-44.094) -38.981,-44.094 ; -38.981,-44.096 ccw(c-38.981,-44.096) -38.981,-44.096 ; -38.981,-44.094 ccw(c-38.981,-44.094) -38.981,-44.094 ; -38.981,-44.096 -38.981,-44.094 ; -38.981,-44.096 -38.981,-44.094 ; -38.981,-44.096 -38.981,-44.094 ; -38.981,-44.096 -38.981,-44.094 ; -38.981,-44.096 -38.981,-44.094 ; -38.981,-44.096 -38.981,-44.094
  lines w0.001: -39.045,-44.133 cw(c-39.045,-44.133) -39.045,-44.132 ; -39.045,-44.133 ccw(c-39.045,-44.133) -39.045,-44.132 ; -39.045,-44.133 ccw(c-39.045,-44.133) -39.045,-44.132 ; -39.045,-44.133 cw(c-39.045,-44.133) -39.045,-44.132 ; -39.045,-44.133 ccw(c-39.045,-44.133) -39.045,-44.132 ; -39.045,-44.133 cw(c-39.045,-44.133) -39.045,-44.132 ; -39.045,-44.125 ccw(c-39.045,-44.125) -39.045,-44.126 ; -39.045,-44.126 ccw(c-39.045,-44.125) -39.045,-44.125 ; -39.045,-44.126 ccw(c-39.045,-44.125) -39.045,-44.125 ; -39.045,-44.125 ccw(c-39.045,-44.125) -39.045,-44.126 ; -39.045,-44.126 ccw(c-39.045,-44.125) -39.045,-44.125 ; -39.045,-44.125 ccw(c-39.045,-44.125) -39.045,-44.126
  lines w0.002: -39.048,-44.148 cw(c-39.047,-44.148) -39.047,-44.148 ; -39.048,-44.148 ccw(c-39.047,-44.148) -39.047,-44.148 ; -39.048,-44.148 ccw(c-39.047,-44.148) -39.047,-44.148 ; -39.048,-44.148 cw(c-39.047,-44.148) -39.047,-44.148 ; -39.048,-44.148 ccw(c-39.047,-44.148) -39.047,-44.148 ; -39.048,-44.148 cw(c-39.047,-44.148) -39.047,-44.148 ; -39.048,-44.096 cw(c-39.047,-44.096) -39.047,-44.096 ; -39.048,-44.096 ccw(c-39.047,-44.096) -39.047,-44.096 ; -39.048,-44.096 ccw(c-39.047,-44.096) -39.047,-44.096 ; -39.048,-44.096 cw(c-39.047,-44.096) -39.047,-44.096 ; -39.048,-44.096 ccw(c-39.047,-44.096) -39.047,-44.096 ; -39.048,-44.096 cw(c-39.047,-44.096) -39.047,-44.096 ; -38.977,-44.148 cw(c-38.976,-44.148) -38.976,-44.148 ; -38.977,-44.148 ccw(c-38.976,-44.148) -38.976,-44.148 ; -38.977,-44.148 ccw(c-38.976,-44.148) -38.976,-44.148 ; -38.977,-44.148 cw(c-38.976,-44.148) -38.976,-44.148 ; -38.977,-44.148 ccw(c-38.976,-44.148) -38.976,-44.148 ; -38.977,-44.148 cw(c-38.976,-44.148) -38.976,-44.148 ; -38.977,-44.096 cw(c-38.976,-44.096) -38.976,-44.096 ; -38.977,-44.096 ccw(c-38.976,-44.096) -38.976,-44.096 ; -38.977,-44.096 ccw(c-38.976,-44.096) -38.976,-44.096 ; -38.977,-44.096 cw(c-38.976,-44.096) -38.976,-44.096 ; -38.977,-44.096 ccw(c-38.976,-44.096) -38.976,-44.096 ; -38.977,-44.096 cw(c-38.976,-44.096) -38.976,-44.096

## Text inside footprints (layer, text, board x,y; h text height)
J10: Bottom Overlay "+" at 5.302,44.922 h1 r270
U4: Bottom Overlay "*" at 11.577,56.414 h1.02 r180